# KiCad board scanhead_pcb.kicad_pcb (continued)
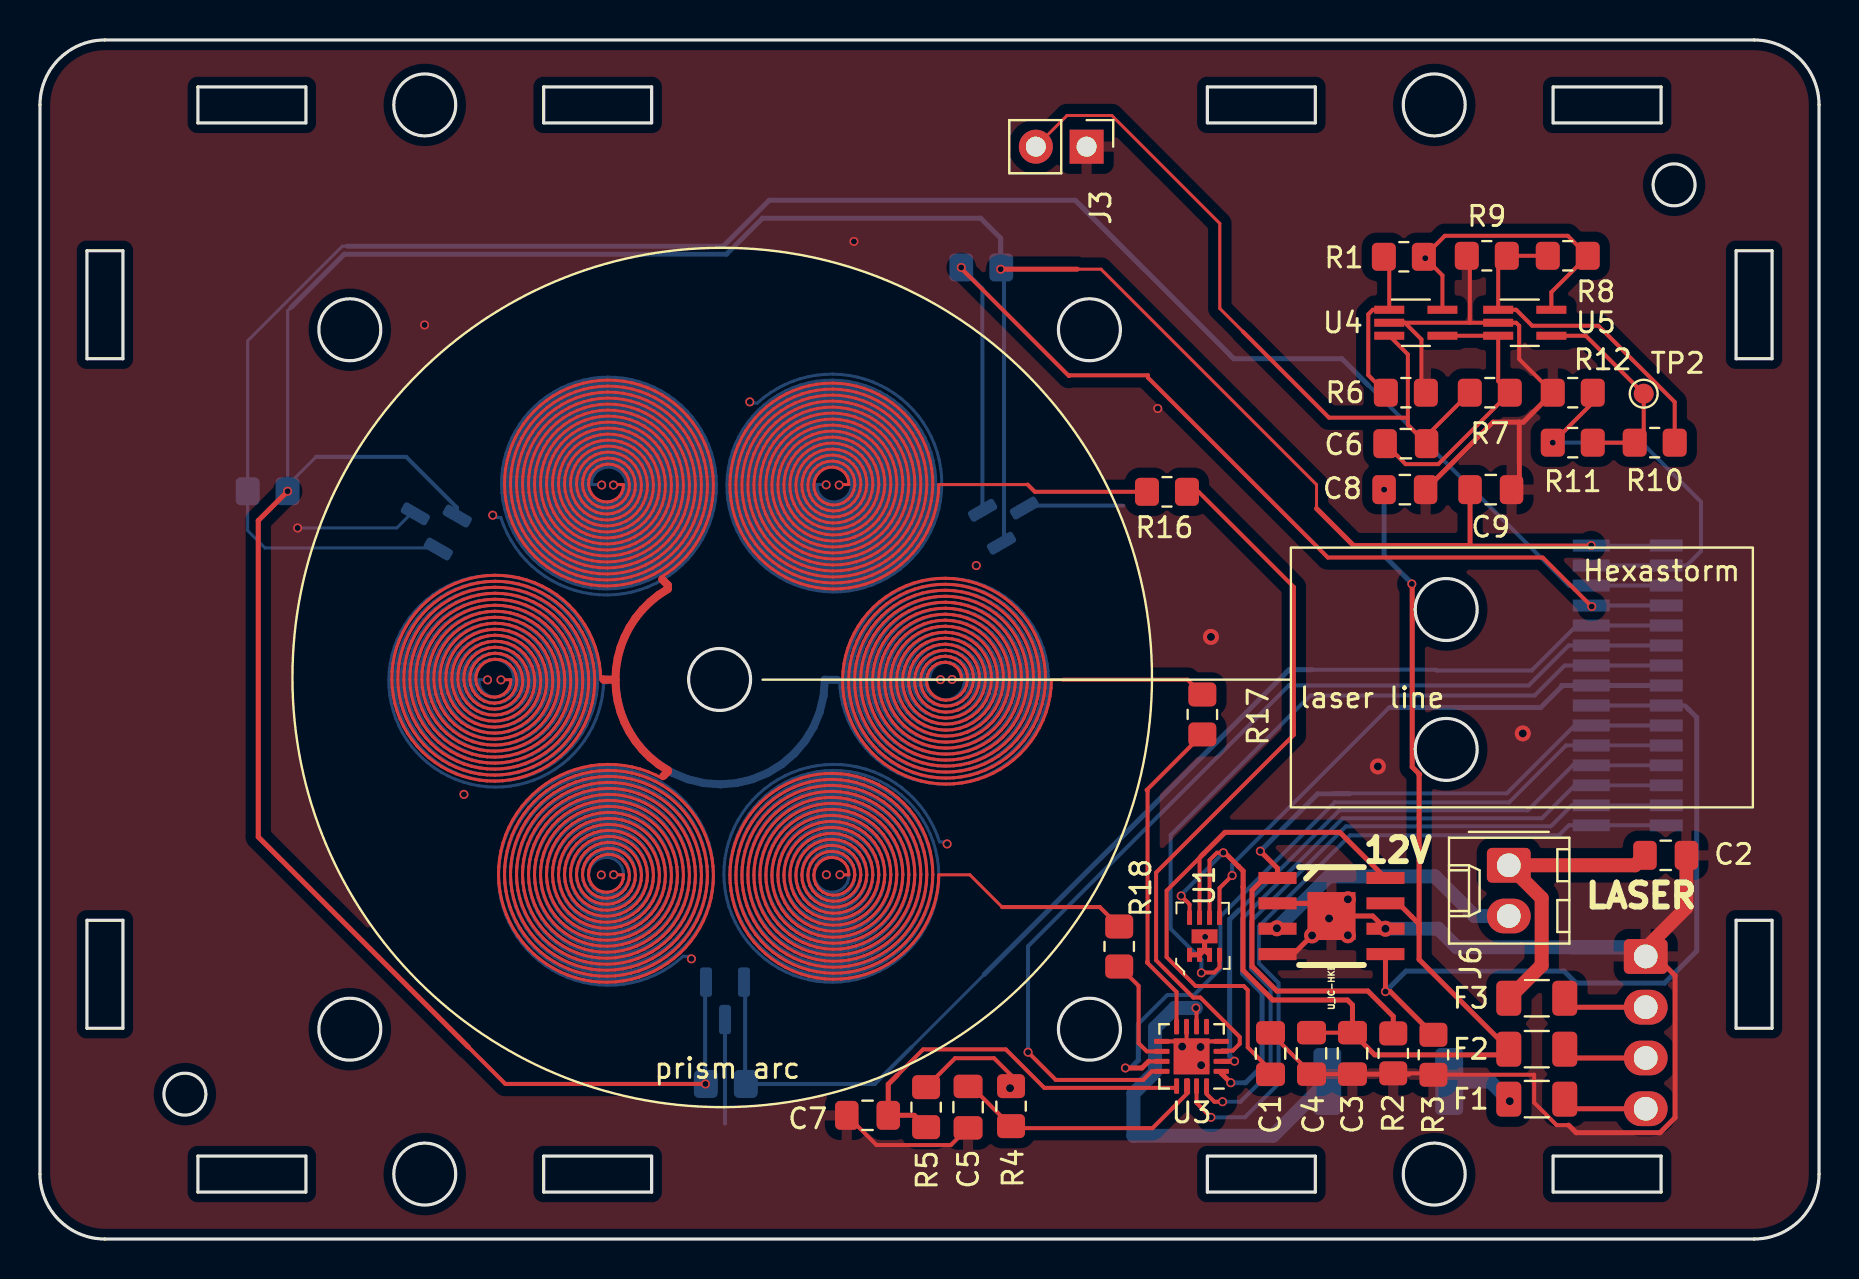
[diagram p0: board, top side]
## Routing (per net, layer and track width the routed paths; a pad name or vN(x,y) marks a point on that pad's centre or on a via; arc(x,y) is an arc through that point) (continued)
  Top w0.2: R16.2 49.77,37.39 49.41,37.75 ; 48.13,16.61 53.02,16.61 R18.2 ; 51.19,27.99 57.41,27.99 R17.2
  Top w0.4: 31.18,23.17 31.41,23.39 31.41,23.45 30.95,23.75 30.52,24.1 30.13,24.48 29.79,24.91 29.49,25.37 29.24,25.86 29.05,26.37 28.9,26.9 28.82,27.44 28.79,27.99 ; 28.18,28.01 28.2,27.99 28.79,27.99 ; 28.79,27.99 28.82,28.54 28.9,29.08 29.05,29.61 29.24,30.12 29.49,30.61 29.79,31.07 30.13,31.49 30.52,31.88 30.95,32.23 31.41,32.53 31.41,32.73 31.12,33.01
  In1.Cu w0.15: 45.65,27.99 46.1,27.99 46.09,27.78 46.02,27.58 45.89,27.4 45.73,27.25 45.53,27.16 45.3,27.11 45.07,27.13 44.85,27.21 44.66,27.34 44.5,27.53 44.4,27.75 44.35,27.99 44.37,28.24 44.46,28.48 44.6,28.69 44.8,28.86 45.04,28.97 45.3,29.01 45.57,28.99 45.83,28.9 46.05,28.74 46.23,28.53 46.35,28.27 46.4,27.99 46.38,27.74 46.31,27.5 46.19,27.28 46.01,27.1 45.8,26.95 45.56,26.85 45.3,26.81 45.04,26.83 44.78,26.91 44.55,27.05 44.35,27.23 44.2,27.46 44.09,27.71 44.05,27.99 44.07,28.27 44.16,28.54 44.3,28.79 44.5,29 44.74,29.16 45.01,29.27 45.3,29.31 45.6,29.29 45.89,29.2 46.15,29.05 46.37,28.84 46.54,28.59 46.66,28.3 46.7,27.99 46.68,27.71 46.61,27.45 46.49,27.2 46.32,26.97 46.11,26.79 45.86,26.64 45.59,26.55 45.3,26.51 45.01,26.53 44.73,26.61 44.47,26.74 44.23,26.92 44.04,27.14 43.89,27.4 43.79,27.69 43.75,27.99 43.77,28.29 43.85,28.59 43.99,28.87 44.18,29.11 44.41,29.32 44.69,29.47 44.99,29.57 45.3,29.61 45.62,29.59 45.93,29.51 46.22,29.36 46.48,29.16 46.69,28.92 46.86,28.63 46.96,28.32 47,27.99 46.98,27.69 46.92,27.4 46.8,27.13 46.63,26.88 46.42,26.66 46.18,26.47 45.9,26.34 45.61,26.25 45.3,26.21 44.99,26.23 44.69,26.31 44.4,26.43 44.14,26.6 43.91,26.82 43.72,27.08 43.58,27.36 43.49,27.67 43.45,27.99 43.47,28.31 43.55,28.63 43.68,28.93 43.86,29.2 44.09,29.44 44.35,29.63 44.65,29.78 44.97,29.88 45.3,29.91 45.64,29.89 45.97,29.81 46.28,29.68 46.56,29.49 46.81,29.25 47.01,28.98 47.17,28.67 47.26,28.34 47.3,27.99 47.28,27.68 47.22,27.37 47.1,27.07 46.94,26.8 46.74,26.55 46.5,26.33 46.23,26.16 45.94,26.03 45.63,25.95 45.3,25.91 44.98,25.93 44.66,26 44.35,26.12 44.06,26.29 43.81,26.5 43.59,26.74 43.41,27.02 43.27,27.33 43.19,27.65 43.15,27.99 43.17,28.33 43.24,28.66 43.37,28.98 43.54,29.27 43.76,29.54 44.01,29.77 44.3,29.95 44.62,30.09 44.96,30.18 45.3,30.21 45.65,30.19 45.99,30.12 46.32,29.99 46.63,29.81 46.9,29.59 47.14,29.32 47.33,29.02 47.48,28.7 47.57,28.35 47.6,27.99 47.59,27.66 47.52,27.34 47.41,27.03 47.26,26.73 47.07,26.46 46.83,26.22 46.57,26.01 46.28,25.85 45.97,25.72 45.64,25.65 45.3,25.61 44.96,25.63 44.63,25.7 44.31,25.81 44,25.97 43.72,26.17 43.48,26.41 43.26,26.68 43.09,26.98 42.96,27.3 42.88,27.64 42.85,27.99 42.87,28.34 42.94,28.68 43.05,29.02 43.22,29.33 43.42,29.62 43.67,29.87 43.95,30.09 44.26,30.27 44.59,30.4 44.94,30.48 45.3,30.51 45.66,30.5 46.02,30.43 46.36,30.3 46.68,30.14 46.98,29.92 47.24,29.67 47.47,29.38 47.65,29.06 47.78,28.72 47.87,28.36 47.9,27.99 47.89,27.65 47.83,27.31 47.72,26.99 47.58,26.68 47.39,26.39 47.17,26.12 46.91,25.89 46.63,25.69 46.32,25.54 45.99,25.42 45.65,25.34 45.3,25.31 44.95,25.33 44.61,25.39 44.27,25.5 43.95,25.65 43.65,25.84 43.38,26.07 43.15,26.33 42.94,26.63 42.78,26.94 42.66,27.28 42.58,27.63 42.55,27.99 42.57,28.35 42.63,28.7 42.74,29.05 42.9,29.38 43.1,29.68 43.33,29.96 43.6,30.21 43.9,30.41 44.23,30.58 44.57,30.71 44.93,30.78 45.3,30.81 45.67,30.8 46.04,30.73 46.39,30.62 46.73,30.46 47.04,30.26 47.33,30.01 47.58,29.74 47.79,29.43 47.96,29.09 48.09,28.74 48.17,28.37 48.2,27.99 48.19,27.64 48.13,27.29 48.03,26.95 47.89,26.63 47.71,26.33 47.5,26.04 47.25,25.79 46.98,25.56 46.67,25.38 46.35,25.22 46.01,25.11 45.66,25.04 45.3,25.01 44.94,25.03 44.59,25.09 44.24,25.19 43.91,25.33 43.6,25.52 43.31,25.74 43.04,25.99 42.82,26.27 42.62,26.58 42.47,26.91 42.35,27.26 42.28,27.62 42.25,27.99 42.27,28.36 42.33,28.72 42.43,29.08 42.58,29.42 42.77,29.74 42.99,30.03 43.25,30.3 43.54,30.54 43.86,30.74 44.2,30.9 44.56,31.01 44.93,31.09 45.3,31.11 45.68,31.1 46.05,31.03 46.42,30.93 46.76,30.78 47.09,30.58 47.4,30.35 47.67,30.09 47.91,29.79 48.12,29.47 48.28,29.12 48.4,28.75 48.47,28.37 48.5,27.99 48.49,27.63 48.43,27.27 48.34,26.93 48.2,26.59 48.03,26.27 47.83,25.97 47.59,25.7 47.32,25.45 47.03,25.24 46.71,25.06 46.38,24.91 46.03,24.81 45.67,24.74 45.3,24.71 44.93,24.73 44.57,24.79 44.22,24.88 43.87,25.02 43.55,25.19 43.24,25.4 42.96,25.65 42.71,25.92 42.49,26.22 42.3,26.55 42.16,26.89 42.05,27.25 41.98,27.61 41.95,27.99 41.97,28.37 42.03,28.74 42.12,29.1 42.26,29.45 42.44,29.79 42.66,30.1 42.91,30.38 43.19,30.64 43.49,30.87 43.83,31.06 44.18,31.21 44.54,31.32 44.92,31.39 45.3,31.41 45.69,31.4 46.07,31.34 46.44,31.24 46.8,31.09 47.14,30.91 47.46,30.69 47.75,30.44 48.01,30.15 48.24,29.84 48.44,29.5 48.59,29.14 48.7,28.77 48.77,28.38 48.8,27.99 48.79,27.62 48.74,27.26 48.64,26.9 48.52,26.56 48.35,26.23 48.16,25.91 47.93,25.62 47.67,25.36 47.39,25.12 47.08,24.91 46.75,24.74 46.4,24.6 46.04,24.5 45.68,24.44 45.3,24.41 44.93,24.43 44.56,24.48 44.19,24.58 43.84,24.71 43.5,24.87 43.18,25.07 42.89,25.31 42.62,25.57 42.37,25.86 42.16,26.18 41.99,26.51 41.84,26.87 41.74,27.23 41.68,27.61 41.65,27.99 41.67,28.37 41.72,28.75 41.82,29.12 41.95,29.48 42.12,29.83 42.32,30.15 42.56,30.46 42.83,30.73 43.13,30.98 43.45,31.19 43.8,31.37 44.16,31.52 44.53,31.62 44.91,31.69 45.3,31.71 45.69,31.7 46.08,31.64 46.46,31.55 46.83,31.41 47.18,31.24 47.51,31.03 47.82,30.78 48.1,30.51 48.35,30.21 48.57,29.88 48.76,29.53 48.9,29.16 49.01,28.78 49.08,28.39 49.1,27.99 49.09,27.62 49.04,27.25 48.95,26.88 48.83,26.53 48.67,26.19 48.48,25.86 48.26,25.56 48.02,25.28 47.74,25.02 47.44,24.79 47.12,24.59 46.78,24.43 46.42,24.29 46.06,24.2 45.68,24.14 45.3,24.11 44.92,24.13 44.54,24.18 44.17,24.27 43.81,24.39 43.46,24.55 43.13,24.74 42.82,24.97 42.54,25.22 42.27,25.5 42.04,25.81 41.84,26.14 41.67,26.48 41.54,26.85 41.44,27.22 41.38,27.6 41.35,27.99 41.37,28.38 41.42,28.76 41.51,29.14 41.64,29.51 41.8,29.86 41.99,30.2 42.22,30.52 42.48,30.81 42.77,31.08 43.08,31.31 43.42,31.52 43.77,31.69 44.14,31.83 44.52,31.93 44.91,31.99 45.3,32.01 45.7,32 46.09,31.95 46.47,31.85 46.85,31.73 47.21,31.56 47.55,31.36 47.88,31.13 48.17,30.86 48.45,30.57 48.69,30.25 48.9,29.91 49.07,29.55 49.21,29.18 49.31,28.79 49.38,28.39 49.4,27.99 49.39,27.61 49.34,27.23 49.26,26.86 49.14,26.5 48.99,26.15 48.81,25.82 48.6,25.5 48.36,25.2 48.09,24.93 47.8,24.68 47.49,24.46 47.15,24.27 46.8,24.11 46.44,23.99 46.07,23.89 45.69,23.84 45.3,23.81 44.92,23.83 44.53,23.88 44.16,23.96 43.79,24.08 43.43,24.23 43.09,24.42 42.77,24.63 42.47,24.88 42.19,25.15 41.94,25.45 41.71,25.77 41.52,26.1 41.36,26.46 41.23,26.83 41.13,27.21 41.07,27.6 41.05,27.99 41.07,28.38 41.12,28.77 41.2,29.16 41.32,29.53 41.48,29.89 41.67,30.24 41.89,30.57 42.14,30.88 42.41,31.16 42.71,31.42 43.04,31.64 43.38,31.84 43.75,32.01 44.12,32.14 44.51,32.23 44.9,32.29 45.3,32.31 45.7,32.3 46.1,32.25 46.49,32.16 46.87,32.04 47.24,31.88 47.59,31.69 47.93,31.47 48.24,31.21 48.53,30.93 48.79,30.62 49.02,30.29 49.22,29.94 49.39,29.57 49.52,29.19 49.62,28.8 49.68,28.39 49.7,27.99 49.69,27.61 49.64,27.22 49.56,26.85 49.45,26.48 49.31,26.12 49.13,25.78 48.93,25.45 48.7,25.14 48.44,24.85 48.16,24.59 47.85,24.35 47.53,24.14 47.18,23.95 46.83,23.8 46.46,23.68 46.08,23.59 45.69,23.54 45.3,23.51 44.91,23.53 44.52,23.57 44.14,23.65 43.77,23.77 43.4,23.91 43.05,24.09 42.72,24.3 42.4,24.54 42.11,24.8 41.84,25.09 41.6,25.4 41.38,25.73 41.2,26.08 41.04,26.44 40.92,26.81 40.83,27.2 40.77,27.59 40.75,27.99 40.77,28.39 40.81,28.78 40.89,29.17 41.01,29.55 41.16,29.92 41.34,30.28 41.55,30.62 41.79,30.94 42.06,31.23 42.35,31.51 42.67,31.75 43,31.97 43.36,32.16 43.73,32.32 44.11,32.44 44.5,32.54 44.9,32.59 45.3,32.61 45.71,32.6 46.11,32.55 46.5,32.47 46.89,32.35 47.27,32.2 47.63,32.02 47.97,31.8 48.3,31.56 48.6,31.29 48.88,30.99 49.13,30.67 49.35,30.33 49.54,29.97 49.7,29.59 49.83,29.2 49.92,28.8 49.98,28.4 50,27.99 49.99,27.6 49.95,27.21 49.87,26.83 49.76,26.46 49.62,26.09 49.46,25.74 49.26,25.4 49.04,25.08 48.79,24.78 48.51,24.5 48.22,24.25 47.9,24.01 47.56,23.81 47.21,23.63 46.85,23.49 46.47,23.37 46.09,23.29 45.7,23.23 45.3,23.21 44.91,23.23 44.51,23.27 44.13,23.35 43.75,23.46 43.38,23.6 43.02,23.77 42.68,23.97 42.35,24.2 42.04,24.45 41.76,24.73 41.5,25.03 41.26,25.35 41.06,25.69 40.88,26.05 40.73,26.42 40.61,26.8 40.53,27.19 40.47,27.59 40.45,27.99 40.46,28.39 40.51,28.79 40.59,29.18 40.7,29.57 40.84,29.95 41.02,30.31 41.22,30.66 41.45,30.99 41.71,31.3 41.99,31.59 42.3,31.85 42.62,32.09 42.97,32.3 43.33,32.48 43.71,32.63 44.1,32.75 44.49,32.84 44.9,32.89 45.3,32.91 45.71,32.9 46.11,32.85 46.51,32.78 46.91,32.66 47.29,32.52 47.66,32.34 48.01,32.14 48.35,31.9 48.66,31.64 48.95,31.35 49.22,31.04 49.46,30.71 49.68,30.36 49.86,29.99 50.02,29.61 50.14,29.21 50.23,28.81 50.28,28.4 50.3,27.99 50.29,27.6 50.25,27.21 50.17,26.82 50.07,26.44 49.94,26.07 49.78,25.71 49.59,25.36 49.37,25.03 49.13,24.72 48.86,24.43 48.58,24.16 48.27,23.91 47.94,23.68 47.6,23.49 47.24,23.32 46.87,23.18 46.48,23.07 46.09,22.98 45.7,22.93 45.3,22.91 44.9,22.93 44.51,22.97 44.11,23.04 43.73,23.15 43.35,23.28 42.99,23.45 42.64,23.64 42.3,23.86 41.98,24.1 41.69,24.37 41.41,24.67 41.16,24.98 40.93,25.31 40.73,25.66 40.56,26.03 40.42,26.4 40.31,26.79 40.22,27.18 40.17,27.59 40.15,27.99 40.16,28.39 40.21,28.8 40.28,29.19 40.39,29.59 40.53,29.97 40.69,30.34 40.89,30.69 41.11,31.03 41.36,31.36 41.63,31.66 41.93,31.94 42.25,32.19 42.59,32.42 42.94,32.62 43.31,32.8 43.69,32.94 44.08,33.06 44.49,33.14 44.89,33.19 45.3,33.21 45.71,33.2 46.12,33.16 46.52,33.08 46.92,32.97 47.31,32.83 47.68,32.66 48.05,32.47 48.39,32.24 48.72,31.99 49.02,31.71 49.31,31.41 49.57,31.09 49.8,30.74 50,30.39 50.18,30.01 50.33,29.62 50.44,29.22 50.53,28.82 50.58,28.4 50.6,27.99 50.59,27.59 50.55,27.2 50.48,26.81 50.38,26.42 50.25,26.05 50.1,25.68 49.91,25.33 49.7,24.99 49.47,24.66 49.21,24.36 48.93,24.08 48.63,23.81 48.31,23.57 47.98,23.36 47.62,23.17 47.26,23 46.88,22.87 46.5,22.76 46.1,22.68 45.7,22.63 45.3,22.61 44.9,22.63 44.5,22.67 44.1,22.74 43.71,22.84 43.33,22.97 42.96,23.13 42.6,23.31 42.26,23.52 41.93,23.76 41.62,24.02 41.33,24.31 41.07,24.61 40.82,24.94 40.6,25.28 40.41,25.63 40.25,26 40.11,26.39 40,26.78 39.92,27.18 39.87,27.58 39.85,27.99 39.86,28.4 39.91,28.8 39.98,29.2 40.08,29.6 40.21,29.99 40.37,30.36 40.56,30.73 40.78,31.08 41.02,31.41 41.28,31.72 41.57,32.01 41.88,32.28 42.21,32.53 42.55,32.75 42.91,32.95 43.29,33.12 43.68,33.26 44.07,33.37 44.48,33.45 44.89,33.5 45.3,33.51 45.72,33.5 46.13,33.46 46.53,33.39 46.53,33.39 46.83,33.69 ; 31.09,33.08 30.73,32.89 30.36,32.73 29.98,32.6 29.59,32.5 29.19,32.43 28.79,32.39 28.39,32.38 27.99,32.4 27.59,32.45 27.2,32.52 26.81,32.63 26.43,32.77 26.07,32.93 25.71,33.12 25.38,33.34 25.06,33.58 24.76,33.84 24.48,34.12 24.22,34.43 23.99,34.75 23.78,35.09 23.6,35.44 23.44,35.81 23.31,36.19 23.21,36.57 23.14,36.96 23.1,37.36 23.09,37.75 23.11,38.17 23.16,38.58 23.25,38.99 23.36,39.39 23.51,39.77 23.69,40.15 23.89,40.51 24.13,40.85 24.38,41.17 24.67,41.47 24.97,41.75 25.3,42.01 25.65,42.23 26.01,42.43 26.38,42.6 26.77,42.74 27.17,42.85 27.57,42.92 27.98,42.97 28.39,42.98 28.8,42.96 29.21,42.91 29.61,42.82 30,42.71 30.38,42.56 30.75,42.39 31.11,42.19 31.44,41.96 31.76,41.7 32.06,41.42 32.33,41.12 32.58,40.8 32.8,40.46 33,40.1 33.16,39.73 33.3,39.35 33.41,38.96 33.48,38.56 33.53,38.16 33.54,37.75 33.52,37.35 33.47,36.95 33.39,36.55 33.27,36.17 33.13,35.79 32.96,35.43 32.76,35.08 32.53,34.74 32.28,34.43 32,34.14 31.71,33.87 31.39,33.62 31.05,33.4 30.7,33.21 30.34,33.05 29.96,32.91 29.58,32.81 29.18,32.73 28.79,32.69 28.39,32.68 27.99,32.7 27.6,32.75 27.21,32.83 26.83,32.94 26.45,33.08 26.1,33.25 25.75,33.45 25.42,33.67 25.12,33.92 24.83,34.19 24.56,34.48 24.32,34.8 24.1,35.13 23.91,35.47 23.75,35.83 23.62,36.2 23.52,36.58 23.44,36.97 23.4,37.36 23.39,37.75 23.41,38.17 23.47,38.58 23.55,38.98 23.68,39.37 23.83,39.75 24.01,40.12 24.23,40.47 24.47,40.81 24.74,41.12 25.03,41.4 25.35,41.67 25.68,41.9 26.03,42.11 26.4,42.28 26.79,42.43 27.18,42.54 27.58,42.62 27.98,42.67 28.39,42.68 28.8,42.66 29.2,42.6 29.6,42.52 29.98,42.4 30.36,42.25 30.72,42.06 31.07,41.85 31.4,41.62 31.7,41.35 31.98,41.06 32.24,40.75 32.47,40.42 32.68,40.07 32.85,39.71 32.99,39.33 33.1,38.95 33.18,38.55 33.23,38.15 33.24,37.75 33.22,37.35 33.17,36.96 33.08,36.57 32.96,36.18 32.81,35.81 32.63,35.46 32.43,35.12 32.19,34.79 31.93,34.49 31.65,34.21 31.34,33.96 31.02,33.73 30.67,33.53 30.32,33.36 29.95,33.22 29.56,33.11 29.18,33.04 28.78,32.99 28.39,32.98 28,33 27.6,33.05 27.22,33.14 26.84,33.25 26.48,33.4 26.13,33.58 25.79,33.78 25.48,34.01 25.18,34.27 24.91,34.55 24.66,34.85 24.43,35.17 24.24,35.51 24.07,35.86 23.93,36.22 23.82,36.6 23.75,36.98 23.7,37.37 23.69,37.75 23.71,38.16 23.77,38.57 23.86,38.97 23.99,39.36 24.15,39.73 24.34,40.09 24.56,40.43 24.81,40.75 25.09,41.05 25.4,41.32 25.72,41.57 26.06,41.78 26.43,41.96 26.8,42.12 27.19,42.23 27.58,42.32 27.99,42.37 28.39,42.38 28.79,42.36 29.19,42.3 29.58,42.21 29.97,42.08 30.34,41.93 30.69,41.74 31.03,41.52 31.34,41.27 31.63,41 31.9,40.7 32.14,40.38 32.35,40.04 32.53,39.69 32.68,39.32 32.8,38.93 32.88,38.55 32.93,38.15 32.94,37.75 32.92,37.36 32.86,36.97 32.77,36.58 32.65,36.2 32.49,35.84 32.31,35.49 32.09,35.16 31.85,34.85 31.58,34.56 31.29,34.3 30.97,34.06 30.64,33.86 30.29,33.68 29.93,33.53 29.55,33.42 29.17,33.34 28.78,33.29 28.39,33.28 28,33.3 27.61,33.35 27.23,33.44 26.86,33.56 26.51,33.72 26.16,33.9 25.84,34.11 25.53,34.35 25.25,34.62 24.99,34.9 24.76,35.21 24.56,35.54 24.38,35.89 24.24,36.24 24.13,36.61 24.05,36.99 24,37.37 23.99,37.75 24.01,38.16 24.07,38.56 24.17,38.95 24.3,39.34 24.47,39.71 24.67,40.06 24.9,40.39 25.16,40.69 25.45,40.98 25.76,41.23 26.1,41.45 26.45,41.65 26.82,41.8 27.2,41.93 27.59,42.01 27.99,42.06 28.39,42.08 28.79,42.06 29.18,42 29.57,41.9 29.95,41.77 30.31,41.61 30.65,41.41 30.98,41.18 31.28,40.92 31.56,40.64 31.81,40.33 32.03,40.01 32.21,39.66 32.37,39.3 32.49,38.92 32.58,38.54 32.63,38.15 32.64,37.75 32.62,37.36 32.56,36.97 32.46,36.59 32.34,36.22 32.17,35.87 31.98,35.53 31.76,35.21 31.5,34.91 31.23,34.64 30.92,34.4 30.6,34.18 30.26,34 29.9,33.84 29.54,33.73 29.16,33.64 28.78,33.59 28.39,33.58 28,33.6 27.62,33.66 27.25,33.75 26.89,33.88 26.54,34.04 26.21,34.23 25.89,34.45 25.6,34.69 25.33,34.97 25.09,35.26 24.88,35.58 24.7,35.92 24.55,36.27 24.43,36.63 24.35,37 24.3,37.38 24.29,37.75 24.31,38.16 24.38,38.55 24.48,38.94 24.62,39.32 24.79,39.68 25,40.02 25.25,40.33 25.52,40.63 25.82,40.89 26.14,41.12 26.48,41.32 26.84,41.49 27.22,41.62 27.6,41.71 27.99,41.76 28.39,41.78 28.78,41.75 29.17,41.69 29.55,41.59 29.92,41.46 30.28,41.28 30.61,41.08 30.92,40.84 31.21,40.57 31.47,40.28 31.7,39.96 31.89,39.63 32.06,39.27 32.18,38.9 32.27,38.53 32.33,38.14 32.34,37.75 32.32,37.37 32.25,36.98 32.16,36.61 32.02,36.25 31.85,35.9 31.65,35.57 31.42,35.27 31.16,34.99 30.87,34.73 30.56,34.51 30.23,34.32 29.88,34.16 29.52,34.03 29.15,33.94 28.77,33.89 28.39,33.88 28.01,33.9 27.64,33.96 27.27,34.06 26.91,34.19 26.57,34.36 26.25,34.56 25.95,34.78 25.68,35.04 25.43,35.32 25.21,35.63 25.02,35.95 24.86,36.29 24.74,36.65 24.65,37.01 24.6,37.38 24.59,37.75 24.62,38.15 24.68,38.54 24.79,38.92 24.94,39.29 25.12,39.64 25.34,39.97 25.59,40.27 25.87,40.55 26.18,40.79 26.51,41 26.87,41.17 27.23,41.31 27.61,41.41 28,41.46 28.39,41.48 28.78,41.45 29.16,41.39 29.54,41.28 29.9,41.14 30.24,40.96 30.56,40.74 30.86,40.5 31.13,40.22 31.37,39.92 31.57,39.59 31.74,39.25 31.88,38.89 31.97,38.51 32.02,38.14 32.04,37.75 32.01,37.37 31.95,37 31.85,36.63 31.71,36.28 31.53,35.94 31.32,35.63 31.08,35.33 30.81,35.07 30.51,34.84 30.19,34.64 29.85,34.47 29.5,34.34 29.13,34.25 28.76,34.19 28.39,34.18 28.02,34.2 27.65,34.27 27.29,34.37 26.94,34.51 26.61,34.68 26.31,34.89 26.02,35.12 25.76,35.39 25.53,35.68 25.34,35.99 25.17,36.32 25.05,36.67 24.96,37.02 24.9,37.39 24.89,37.75 24.92,38.15 24.99,38.53 25.1,38.9 25.26,39.26 25.45,39.6 25.68,39.92 25.94,40.2 26.23,40.46 26.55,40.68 26.89,40.86 27.25,41 27.62,41.1 28.01,41.16 28.39,41.18 28.77,41.15 29.15,41.08 29.52,40.97 29.87,40.82 30.2,40.63 30.5,40.41 30.78,40.15 31.03,39.86 31.25,39.55 31.43,39.22 31.57,38.87 31.67,38.5 31.72,38.13 31.74,37.75 31.71,37.38 31.65,37.01 31.54,36.65 31.39,36.31 31.2,35.99 30.98,35.69 30.73,35.41 30.45,35.17 30.15,34.96 29.82,34.78 29.48,34.65 29.12,34.55 28.76,34.49 28.39,34.48 28.02,34.5 27.66,34.57 27.31,34.68 26.98,34.82 26.66,35 26.37,35.22 26.1,35.46 25.86,35.74 25.66,36.04 25.49,36.36 25.35,36.69 25.26,37.04 25.2,37.39 25.19,37.75 25.22,38.14 25.29,38.52 25.41,38.88 25.58,39.23 25.78,39.56 26.02,39.85 26.29,40.12 26.6,40.35 26.93,40.54 27.28,40.69 27.64,40.8 28.01,40.86 28.39,40.88 28.77,40.85 29.13,40.78 29.49,40.66 29.83,40.5 30.15,40.3 30.44,40.07 30.7,39.8 30.92,39.5 31.11,39.18 31.26,38.84 31.36,38.49 31.42,38.12 31.44,37.75 31.41,37.39 31.34,37.03 31.23,36.68 31.07,36.35 30.88,36.04 30.65,35.75 30.39,35.5 30.1,35.28 29.78,35.1 29.45,34.96 29.1,34.85 28.75,34.79 28.39,34.78 28.03,34.81 27.68,34.88 27.34,34.99 27.02,35.14 26.72,35.33 26.44,35.55 26.19,35.81 25.98,36.09 25.8,36.4 25.66,36.72 25.56,37.06 25.5,37.4 25.49,37.75 25.52,38.13 25.6,38.5 25.73,38.86 25.9,39.19 26.11,39.5 26.37,39.78 26.65,40.02 26.96,40.22 27.3,40.38 27.66,40.49 28.02,40.56 28.39,40.58 28.76,40.55 29.12,40.47 29.46,40.35 29.79,40.18 30.09,39.97 30.36,39.72 30.6,39.45 30.79,39.14 30.95,38.81 31.06,38.47 31.12,38.11 31.14,37.75 31.11,37.4 31.03,37.05 30.91,36.71 30.75,36.39 30.55,36.1 30.31,35.84 30.04,35.61 29.74,35.42 29.42,35.27 29.09,35.16 28.74,35.1 28.39,35.08 28.04,35.11 27.7,35.18 27.37,35.3 27.06,35.46 26.78,35.66 26.52,35.89 26.3,36.15 26.12,36.44 25.97,36.75 25.87,37.08 25.81,37.41 25.79,37.75 25.82,38.12 25.91,38.48 26.04,38.83 26.23,39.14 26.45,39.43 26.71,39.69 27.01,39.9 27.33,40.07 27.67,40.19 28.03,40.26 28.39,40.28 28.75,40.25 29.1,40.16 29.43,40.03 29.74,39.85 30.02,39.64 30.27,39.38 30.47,39.09 30.64,38.78 30.75,38.45 30.82,38.1 30.84,37.75 30.81,37.41 30.73,37.07 30.6,36.74 30.43,36.44 30.22,36.17 29.97,35.93 29.69,35.73 29.38,35.57 29.06,35.46 28.73,35.4 28.39,35.38 28.05,35.41 27.72,35.49 27.41,35.61 27.12,35.78 26.86,35.98 26.63,36.23 26.43,36.5 26.28,36.79 26.17,37.1 26.11,37.43 26.09,37.75 26.13,38.11 26.22,38.46 26.36,38.79 26.55,39.09 26.79,39.35 27.06,39.58 27.37,39.76 27.7,39.88 28.04,39.96 28.39,39.98 28.74,39.94 29.07,39.86 29.39,39.72 29.68,39.53 29.94,39.3 30.15,39.04 30.33,38.74 30.45,38.42 30.52,38.09 30.54,37.75 30.51,37.42 30.42,37.09 30.29,36.79 30.1,36.51 29.88,36.26 29.63,36.05 29.34,35.88 29.04,35.77 28.72,35.7 28.39,35.68 28.07,35.71 27.75,35.79 27.46,35.92 27.19,36.1 26.95,36.31 26.75,36.56 26.59,36.84 26.47,37.13 26.41,37.44 26.39,37.75 26.43,38.1 26.53,38.43 26.68,38.74 26.88,39.02 27.13,39.25 27.41,39.44 27.73,39.58 28.05,39.66 28.39,39.68 28.72,39.64 29.04,39.55 29.34,39.4 29.61,39.2 29.83,38.96 30.01,38.69 30.14,38.39 30.22,38.08 30.24,37.75 30.2,37.43 30.11,37.13 29.97,36.84 29.78,36.59 29.55,36.37 29.29,36.19 29,36.07 28.7,36 28.39,35.98 28.08,36.01 27.79,36.1 27.51,36.24 27.27,36.42 27.06,36.64 26.9,36.89 26.78,37.17 26.71,37.46 26.69,37.75 26.73,38.08 26.84,38.4 27,38.68 27.21,38.93 27.47,39.13 27.76,39.27 28.07,39.36 28.39,39.38 28.7,39.34 29,39.24 29.28,39.08 29.51,38.88 29.7,38.63 29.84,38.35 29.92,38.06 29.94,37.75 29.9,37.45 29.8,37.17 29.65,36.91 29.46,36.68 29.22,36.5 28.96,36.37 28.68,36.3 28.39,36.28 28.1,36.32 27.83,36.41 27.59,36.55 27.37,36.74 27.2,36.96 27.08,37.21 27.01,37.48 26.99,37.75 27.04,38.06 27.15,38.35 27.32,38.61 27.54,38.81 27.81,38.97 28.09,39.06 28.39,39.08 28.68,39.04 28.96,38.93 29.2,38.76 29.39,38.55 29.53,38.31 29.62,38.03 29.64,37.75 29.6,37.48 29.5,37.22 29.34,36.99 29.14,36.81 28.91,36.68 28.65,36.6 28.39,36.58 28.13,36.62 27.89,36.71 27.68,36.86 27.5,37.05 27.38,37.27 27.31,37.51 27.29,37.75 27.34,38.04 27.46,38.29 27.64,38.51 27.86,38.66 28.12,38.76 28.39,38.78 28.65,38.73 28.89,38.62 29.09,38.45 29.23,38.24 29.32,38 29.34,37.75 29.3,37.51 29.19,37.29 29.03,37.11 28.84,36.97 28.62,36.9 28.39,36.88 28.17,36.92 27.96,37.02 27.8,37.16 27.68,37.34 27.6,37.54 27.59,37.75 28.04,37.75 ; 40.01,37.75 40.46,37.75 40.45,37.54 40.38,37.34 40.26,37.16 40.09,37.02 39.89,36.92 39.66,36.88 39.43,36.9 39.21,36.97 39.02,37.11 38.86,37.29 38.76,37.51 38.71,37.75 38.73,38 38.82,38.24 38.97,38.45 39.16,38.62 39.4,38.73 39.66,38.78 39.93,38.76 40.19,38.66 40.42,38.51 40.6,38.29 40.71,38.04 40.76,37.75 40.75,37.51 40.67,37.27 40.55,37.05 40.38,36.86 40.16,36.71 39.92,36.62 39.66,36.58 39.4,36.6 39.15,36.68 38.91,36.81 38.71,36.99 38.56,37.22 38.46,37.48 38.41,37.75 38.44,38.03 38.52,38.31 38.66,38.55 38.86,38.76 